# KiCad board MiniCamel.kicad_pcb
title: TinyLlama; date: 2023-02-10; rev: 2.1; company: Eivind Bøhler
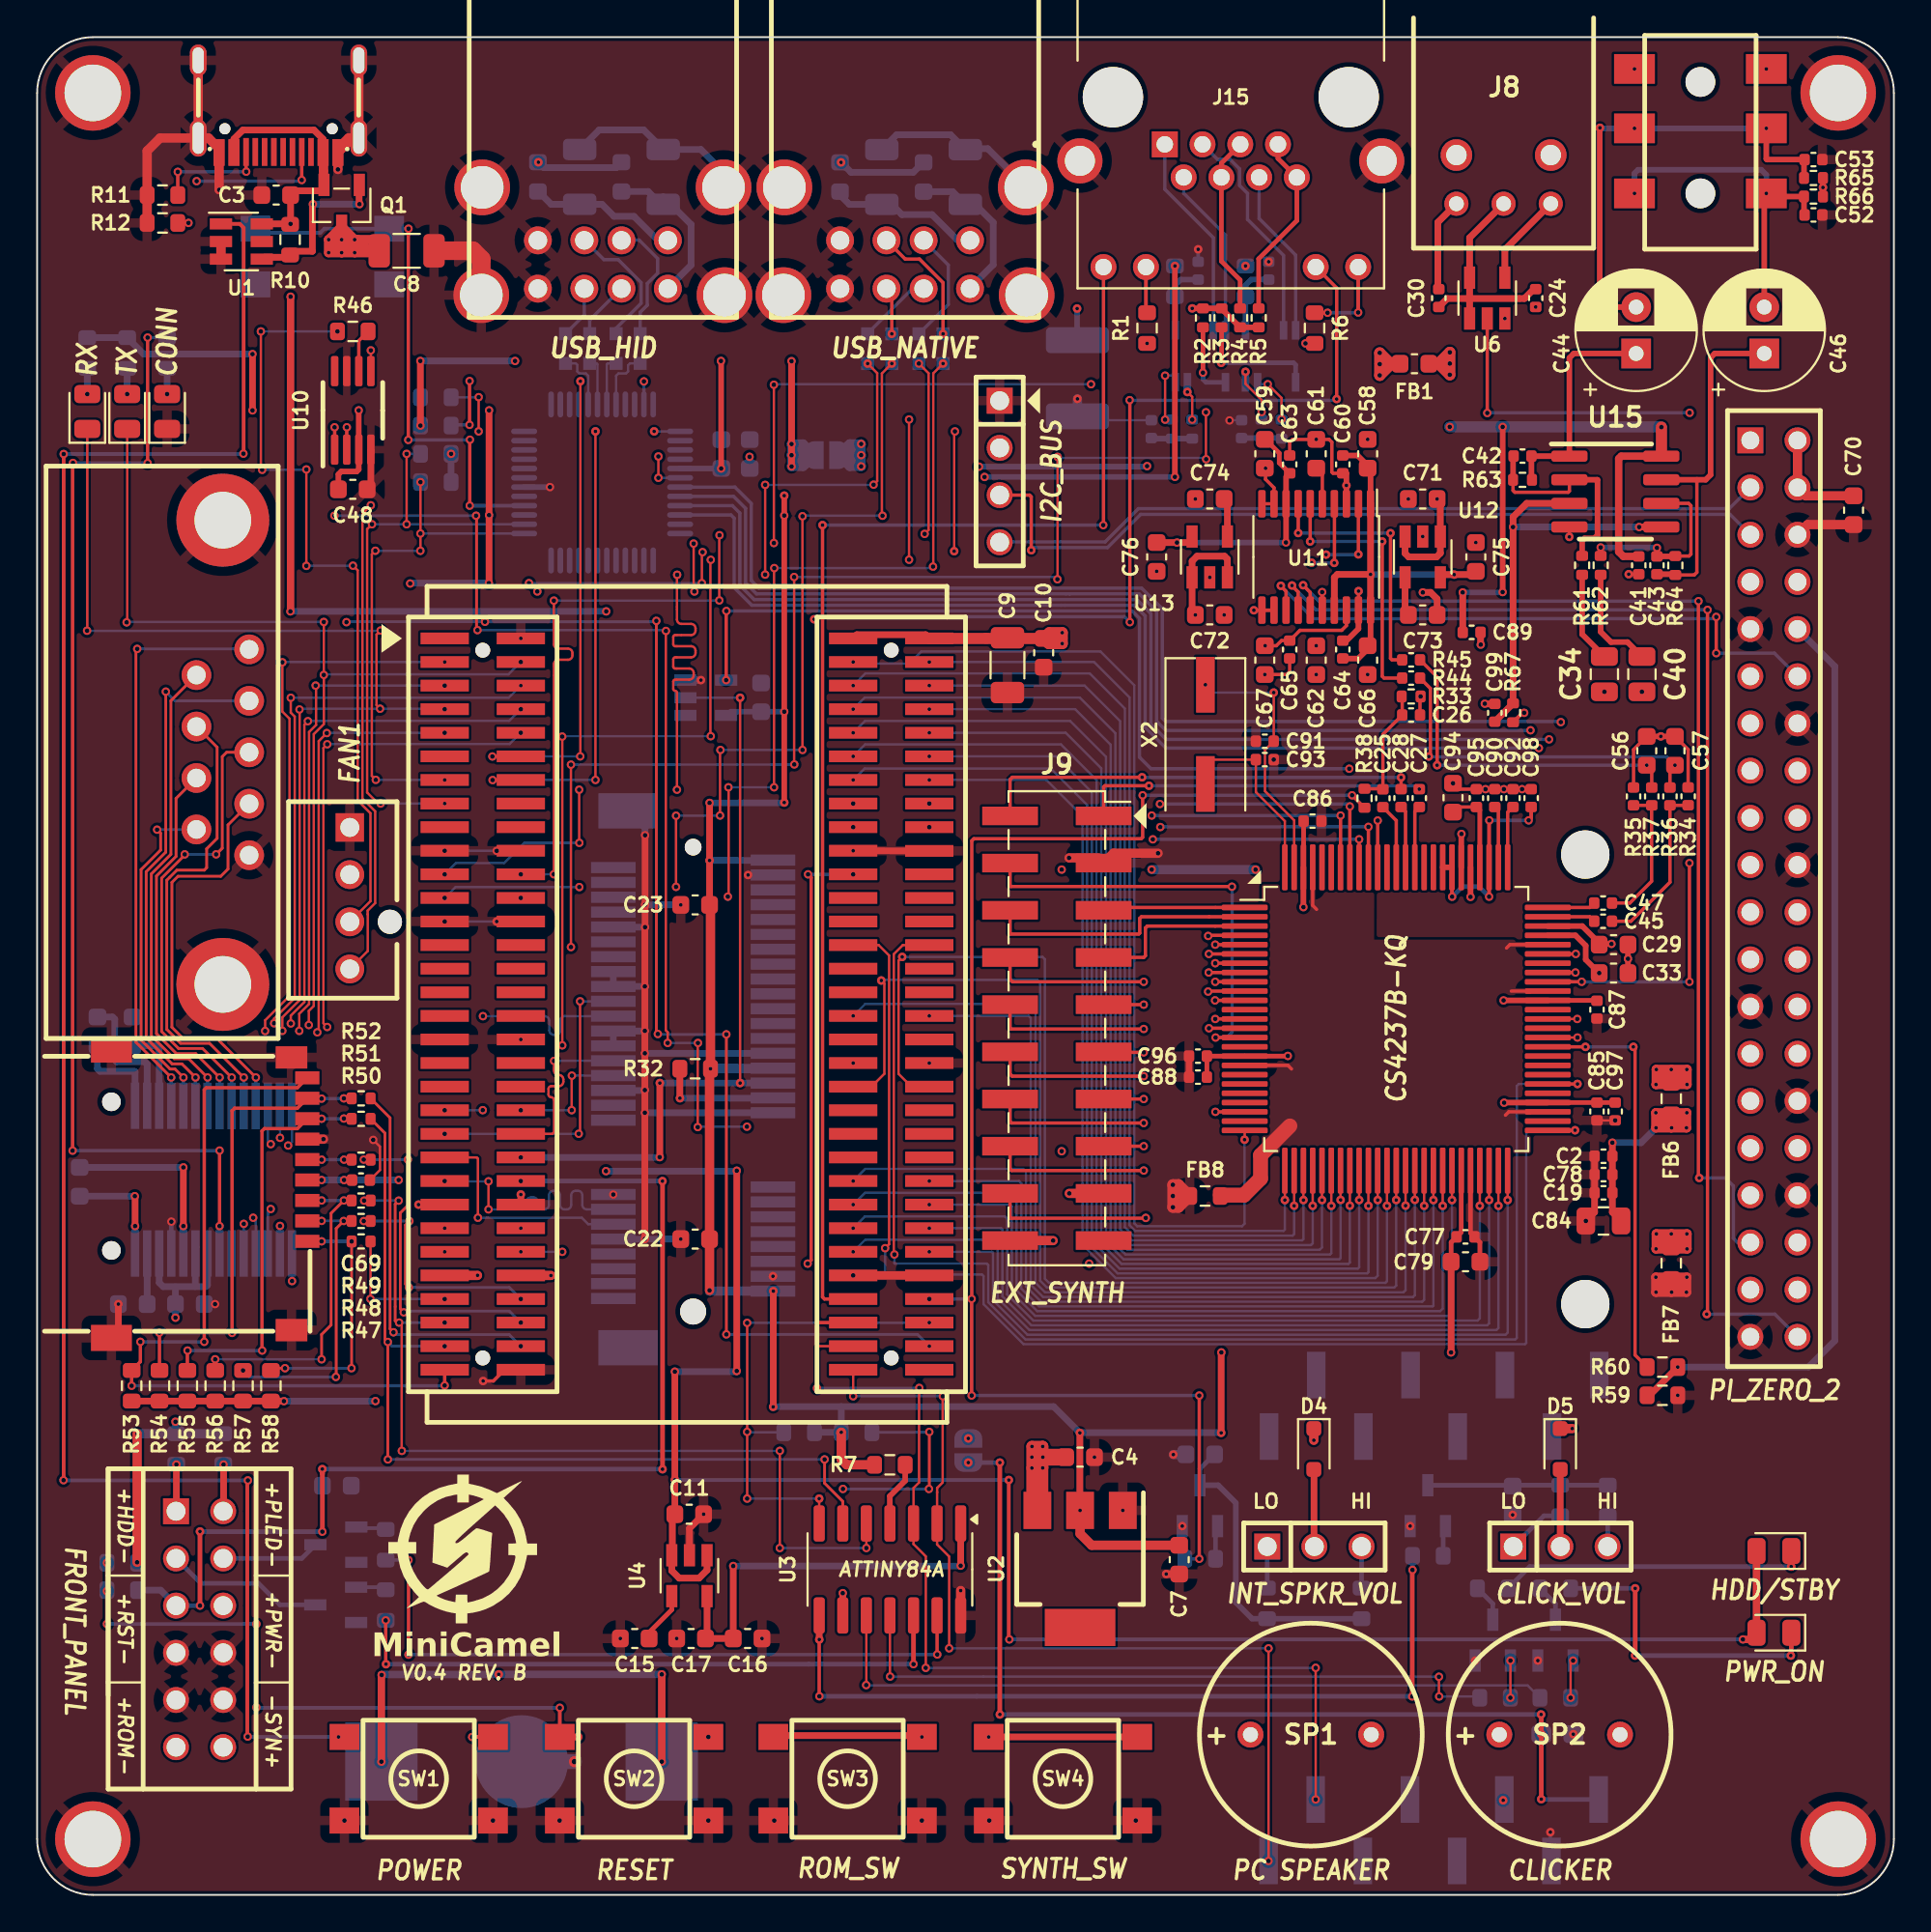
[diagram p0: board, top side]
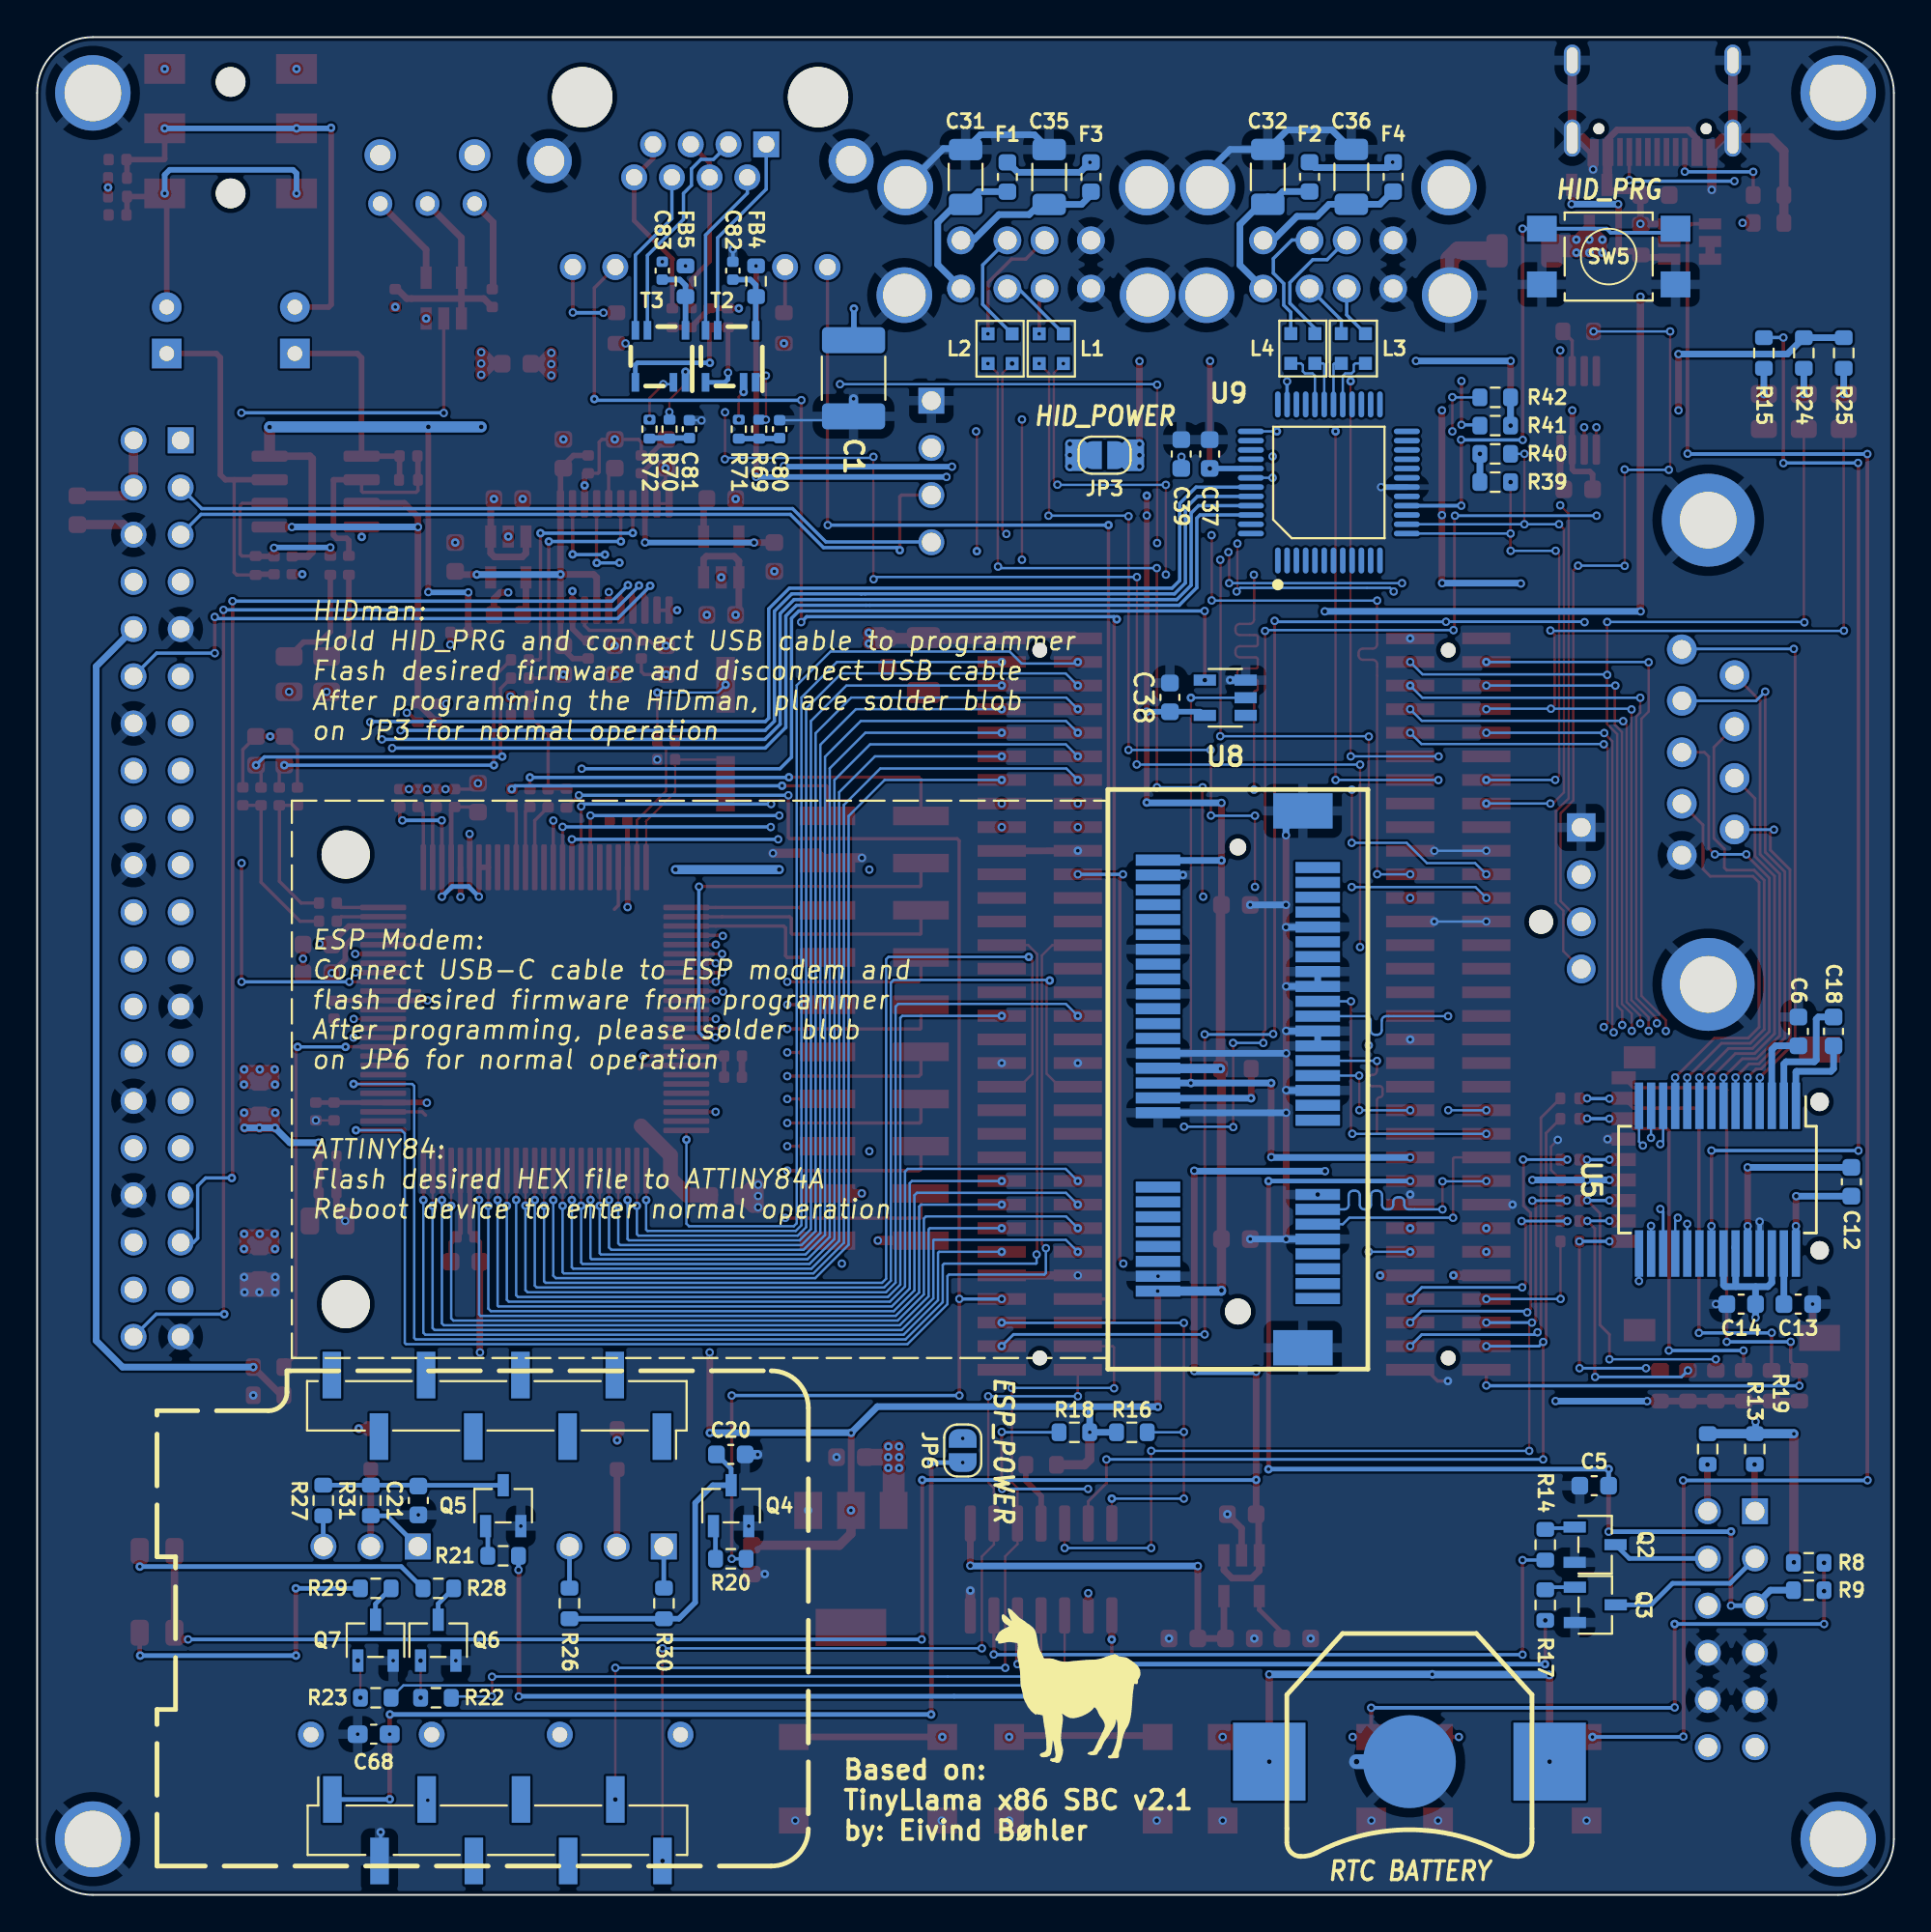
[diagram p1: board, bottom side, seen from below]

Outline 100 x 100 mm; copper layers: Top, In1.Cu (plane), In2.Cu (plane), Bottom. Coordinates in mm from the lower left corner of the outline.
Outline path: 0,97 0,3 arc(0.88,0.88) 3,0 97,0 arc(99.12,0.88) 100,3 100,97 arc(99.13,99.13) 97,100 3,100 arc(0.88,99.12) 0,97
Stack: Top 0.035mm / dielectric 0.2mm FR4 er 4.6 / In1.Cu 0.0175mm / dielectric 1.065mm FR4 er 4.6 / In2.Cu 0.0175mm / dielectric 0.2mm FR4 er 4.6 / Bottom 0.035mm

## Placement (name value [footprint] x y rotation side)
BT1  CR1220  [BT_MY-1220-03]  26.09 7.17 0 bottom
C1  1nF  [C_1812_4532Metric]  56.03 81.64 90 bottom
C2  100nF  [C_0402_1005Metric_no_outline]  84.36 39.76 0 top
C3  0.1uF  [C_0603_1608Metric]  12.88 91.5 0 top
C4  10uF  [C_0603_1608Metric]  56.17 23.56 0 top
C5  10uF  [C_0603_1608Metric]  16.14 22.03 0 bottom
C6  0.1uF  [C_0603_1608Metric]  5.14 46.48 90 bottom
C7  47uF  [C_0603_1608Metric]  61.51 18.05 270 top
C8  47uF  [C_1206_3216Metric]  19.9 88.5 0 top
C9  47uF  [C_1206_3216Metric]  52.26 66.19 270 top
C10  0.1uF  [C_0603_1608Metric]  54.21 66.86 270 top
C11  1uF  [C_0603_1608Metric]  35.12 20.49 0 top
C12  0.1uF  [C_0603_1608Metric]  2.29 38.39 90 bottom
C13  0.1uF  [C_0603_1608Metric]  5.15 31.8 180 bottom
C14  0.1uF  [C_0603_1608Metric]  8.23 31.8 0 bottom
C15  470pF  [C_0603_1608Metric]  32.19 13.8 180 top
C16  10uF  [C_0603_1608Metric]  38.27 13.8 0 top
C17  0.1uF  [C_0603_1608Metric]  35.22 13.8 0 top
C18  0.1uF  [C_0603_1608Metric]  3.25 46.48 90 bottom
C19  100nF  [C_0402_1005Metric_no_outline]  84.36 37.79 0 top
C20  10nF  [C_0603_1608Metric]  62.64 23.71 180 bottom
C21  10nF  [C_0603_1608Metric]  79.47 21.23 270 bottom
C22  0.1uF  [C_0603_1608Metric]  35.44 35.3 180 top
C23  0.1uF  [C_0603_1608Metric]  35.44 53.29 180 top
C24  0.1uF  [C_0402_1005Metric]  80.71 85.95 90 top
C25  0.1uF  [C_0402_1005Metric]  72.48 59.03 90 top
C26  2.7nF  [C_0402_1005Metric]  74 63.51 0 top
C27  1uF  [C_0402_1005Metric]  74.44 59.04 90 top
C28  1uF  [C_0402_1005Metric]  73.46 59.04 90 top
C29  1nF  [C_0603_1608Metric]  84.91 51.15 180 top
C30  0.1uF  [C_0402_1005Metric]  75.49 85.95 90 top
C31  47uF  [C_1206_3216Metric]  49.99 92.47 90 bottom
C32  47uF  [C_1206_3216Metric]  33.72 92.48 90 bottom
C33  1nF  [C_0603_1608Metric]  84.91 49.62 180 top
C34  1uF  [C_0805_2012Metric]  84.41 65.71 90 top
C35  47uF  [C_1206_3216Metric]  45.49 92.47 90 bottom
C36  47uF  [C_1206_3216Metric]  29.22 92.48 90 bottom
C37  0.1uF  [C_0603_1608Metric]  36.85 77.56 270 bottom
C38  0.1uF  [C_0603_1608Metric]  38.99 64.46 90 bottom
C39  3.3uF  [C_0603_1608Metric]  38.38 77.56 270 bottom
C40  1uF  [C_0805_2012Metric]  86.43 65.71 90 top
C41  100nF  [C_0402_1005Metric_no_outline]  86.26 71.57 90 top
C42  47pF  [C_0402_1005Metric_no_outline]  80 77.45 0 top
C43  47pF  [C_0402_1005Metric_no_outline]  87.24 71.57 270 top
C44  220uF  [CP_Radial_D6.3mm_P2.50mm]  86.12 82.97 90 top
C45  10uF  [C_0402_1005Metric]  84.34 52.41 0 top
C46  220uF  [CP_Radial_D6.3mm_P2.50mm]  93.02 82.97 90 top
C47  10uF  [C_0402_1005Metric]  84.34 53.39 0 top
C48  0.1uF  [C_0603_1608Metric]  17 75.66 0 top
C52  100pF  [C_0402_1005Metric_no_outline]  95.67 90.43 0 top
C53  100pF  [C_0402_1005Metric_no_outline]  95.67 93.41 0 top
C56  2.2nF  [C_0603_1608Metric]  86.69 61.59 270 top
C57  2.2nF  [C_0603_1608Metric]  88.21 61.59 270 top
C58  10uF  [C_0603_1608Metric]  71.66 77.57 90 top
C59  10uF  [C_0603_1608Metric]  66.12 77.57 270 top
C60  0.1uF  [C_0402_1005Metric]  70.32 77 270 top
C61  2.2uF  [C_0603_1608Metric]  68.89 77.57 270 top
C62  2.2uF  [C_0603_1608Metric]  68.89 66.47 90 top
C63  0.1uF  [C_0402_1005Metric]  67.46 77 90 top
C64  0.1uF  [C_0402_1005Metric]  70.32 67.04 90 top
C65  0.1uF  [C_0402_1005Metric]  67.46 67.04 90 top
C66  10uF  [C_0603_1608Metric]  71.66 66.47 270 top
C67  10uF  [C_0603_1608Metric]  66.12 66.47 90 top
C68  47uF  [C_0603_1608Metric_Pad1.08x0.95mm_HandSolder]  81.88 8.65 0 bottom
C69  0.1uF  [C_0402_1005Metric]  17.44 38.47 0 top
C70  0.1uF  [C_0603_1608Metric]  97.83 74.53 270 top
C71  1uF  [C_0603_1608Metric]  74.62 75.14 180 top
C72  1uF  [C_0603_1608Metric]  63.16 68.9 0 top
C73  470pF  [C_0603_1608Metric]  74.62 68.9 0 top
C74  470pF  [C_0603_1608Metric]  63.16 75.14 180 top
C75  10uF  [C_0603_1608Metric]  77.48 72.02 90 top
C76  10uF  [C_0603_1608Metric]  60.3 72.02 270 top
C77  100nF  [C_0402_1005Metric_no_outline]  76.93 35.42 0 top
C78  100nF  [C_0402_1005Metric_no_outline]  84.36 38.77 0 top
C79  1nF  [C_0603_1608Metric_no_outline]  76.93 34.08 0 top
C80  0.1uF  [C_0402_1005Metric]  60.01 78.9 90 bottom
C81  0.1uF  [C_0402_1005Metric]  64.87 78.9 90 bottom
C82  0.1uF  [C_0402_1005Metric]  62.53 87.43 90 bottom
C83  0.1uF  [C_0402_1005Metric]  66.33 87.43 90 bottom
C84  33uF  [C_0805_2012Metric]  84.36 36.28 0 top
C85  100nF  [C_0402_1005Metric_no_outline]  84.01 42.17 270 top
C86  100nF  [C_0402_1005Metric_no_outline]  68.69 57.8 0 top
C87  100nF  [C_0402_1005Metric_no_outline]  84.01 47.65 270 top
C88  100nF  [C_0402_1005Metric_no_outline]  62.52 44.02 180 top
C89  100nF  [C_0402_1005Metric_no_outline]  77.26 67.96 180 top
C90  1nF  [C_0402_1005Metric_no_outline]  78.51 59.04 270 top
C91  22pF  [C_0402_1005Metric_no_outline]  66.12 62.1 0 top
C92  1nF  [C_0402_1005Metric_no_outline]  79.49 59.04 270 top
C93  22pF  [C_0402_1005Metric_no_outline]  66.12 61.11 180 top
C94  1uF  [C_0603_1608Metric_no_outline]  76.26 59.06 90 top
C95  100nF  [C_0402_1005Metric_no_outline]  77.52 59.04 90 top
C96  1uF  [C_0402_1005Metric_no_outline]  62.52 45.15 0 top
C97  1uF  [C_0402_1005Metric_no_outline]  84.99 42.17 90 top
C98  100nF  [C_0402_1005Metric_no_outline]  80.47 59.04 270 top
C99  1uF  [C_0402_1005Metric_no_outline]  78.51 63.63 90 top
D1  CONN  [D_0805_2012Metric]  7 79.85 90 top
D2  TX  [D_0805_2012Metric]  4.85 79.85 90 top
D3  RX  [D_0805_2012Metric]  2.7 79.85 90 top
D4  1N4148  [D_SOD-323F]  68.76 24 270 top
D5  1N4148  [D_SOD-323F]  82.03 24 270 top
D6  PWR_ON  [D_0805_2012Metric]  93.54 14.11 180 top
D7  HDD/STBY  [D_0805_2012Metric]  93.54 18.51 180 top
F1  F  [Fuse_0603_1608Metric_no_outline]  47.74 92.47 270 bottom
F2  F  [Fuse_0603_1608Metric_no_outline]  31.47 92.48 270 bottom
F3  F  [Fuse_0603_1608Metric_no_outline]  43.24 92.47 270 bottom
F4  F  [Fuse_0603_1608Metric_no_outline]  26.97 92.48 270 bottom
FB1  FB  [C_0603_1608Metric]  74.18 82.42 0 top
FB4  50Ω@100MHz  [R_0603_1608Metric]  61.28 86.86 270 bottom
FB5  50Ω@100MHz  [R_0603_1608Metric]  65.08 86.86 270 bottom
FB6  600Ω@100MHz  [R_0603_1608Metric_no_outline]  88.01 42.86 90 top
FB7  100Ω@100MHz  [R_0603_1608Metric_no_outline]  88.01 34 90 top
FB8  100Ω@100MHz  [R_0603_1608Metric_no_outline]  62.9 37.62 0 top
H1  H_HOLE  [H_440_HOLE]  3 97 0 top
H2  H_HOLE  [H_440_HOLE]  97 97 0 top
H3  H_HOLE  [H_440_HOLE]  3 3 0 top
H4  H_HOLE  [H_440_HOLE]  97 3 0 top
J1  J_USB_C  [J_USB_TYPE-C-31-M-12]  13 94 180 top
J2  AUDIO_OUT  [J_AUDIO35_C95463]  89.58 95.09 0 top
J3  FRONT_PANEL  [P_CONN_PANEL]  8.75 16.84 270 top
J4  -  [J_MINI_PCIE]  35.33 31.4 90 bottom
J5  -  [P_DE9M]  11.42 67.05 90 top
J6  USB_NATIVE  [J_USB_A_C12049]  46.74 87.76 180 top
J7  USB_HID  [J_USB_A_C12049]  30.47 87.76 180 top
J8  J_TOSLINK_ZGY133T10  [TOSLINK_ZGY133T10]  78.98 91.03 0 top
J9  EXT_SYNTH  [PinSocket_2x10_P2.54mm_Vertical_SMD]  54.92 46.65 0 top
J11  -  [J_WEMOS_D1_MINI]  75.25 14.88 180 bottom
J12  PI_ZERO_2  [J_CONN_RPI]  93.54 54.17 0 top
J13  MICRO_SD  [MicroSD_TF01A]  7.3 37.74 270 top
J14  I2C_BUS  [P_CONN_01X04_SQUARE]  51.84 76.62 270 top
J15  RJHSE-5384  [AMPHENOL_RJHSE-5384]  64.29 96.77 180 top
JP1  INT_SPKR_VOL  [P_CONN_01X03_SQUARE]  68.79 18.75 0 top
JP2  CLICK_VOL  [P_CONN_01X03_SQUARE]  82.04 18.75 0 top
JP3  HID_POWER  [SolderJumper-2_P1.3mm_Open_RoundedPad1.0x1.5mm]  42.51 77.5 180 bottom
JP6  ESP_POWER  [SolderJumper-2_P1.3mm_Open_RoundedPad1.0x1.5mm]  50.15 23.92 270 bottom
L1  L_EMI_FILTER  [L_EMI_FILTER_MCM2012B900GBE]  45.38 83.23 270 bottom
L2  L_EMI_FILTER  [L_EMI_FILTER_MCM2012B900GBE]  48.14 83.23 270 bottom
L3  L_EMI_FILTER  [L_EMI_FILTER_MCM2012B900GBE]  29.11 83.24 90 bottom
L4  L_EMI_FILTER  [L_EMI_FILTER_MCM2012B900GBE]  31.83 83.24 90 bottom
LOGO1  snipe_logo  [snipe_96x96px]  22.92 18.62 0 top
LOGO2  Llama_logo  [LLAMA_LOGO]  52.61 17.43 180 bottom
P1  SOM-128-EX  [P_CONN_SOM-128-EX]  24 67.63 0 top
P2  FAN1  [J_MOLEX_47053-1000]  16.84 57.46 90 top
Q1  Q_PMOS_GDS  [Q_PFET_ENH_SOT-23-3]  16.4 90.95 90 top
Q2  NPN  [Q_BJT_SOT-23-3]  16.09 18.85 0 bottom
Q3  NPN  [Q_BJT_SOT-23-3]  16.08 15.61 0 bottom
Q4  NPN  [Q_BJT_SOT-23-3]  62.62 20.95 270 bottom
Q5  NPN  [Q_BJT_SOT-23-3]  74.9 20.95 270 bottom
Q6  NPN  [Q_BJT_SOT-23-3]  78.4 13.71 270 bottom
Q7  NPN  [Q_BJT_SOT-23-3]  81.78 13.71 270 bottom
R1  330  [R_0603_1608Metric]  59.78 84.34 270 top
R2  75  [R_0402_1005Metric]  62.79 84.89 270 top
R3  75  [R_0402_1005Metric]  63.79 84.89 270 top
R4  75  [R_0402_1005Metric]  64.79 84.89 90 top
R5  75  [R_0402_1005Metric]  65.79 84.89 90 top
R6  330  [R_0603_1608Metric]  68.8 84.34 90 top
R7  10k  [R_0603_1608Metric]  45.92 23.15 180 top
R8  10k  [R_0603_1608Metric]  4.59 17.88 180 bottom
R9  470  [R_0603_1608Metric]  4.59 16.4 180 bottom
R10  47k  [R_0603_1608Metric]  13.62 89.1 90 top
R11  5.1k  [R_0603_1608Metric]  6.75 91.5 180 top
R12  5.1k  [R_0603_1608Metric]  6.75 90 180 top
R13  330  [R_0603_1608Metric]  7.49 24 270 bottom
R14  10k  [R_0603_1608Metric]  18.77 18.85 90 bottom
R15  1.5k  [R_0603_1608Metric]  7 83 270 bottom
R16  4.7k  [R_0603_1608Metric]  41.04 24.9 0 bottom
R17  10k  [R_0603_1608Metric]  18.77 15.6 90 bottom
R18  4.7k  [R_0603_1608Metric]  44.14 24.9 180 bottom
R19  330  [R_0603_1608Metric]  10.02 24 270 bottom
R20  1k  [R_0603_1608Metric]  62.64 18.09 0 bottom
R21  1k  [R_0603_1608Metric]  74.9 18.25 0 bottom
R22  10k  [R_0603_1608Metric]  78.52 10.61 0 bottom
R23  10k  [R_0603_1608Metric]  81.77 10.61 0 bottom
R24  1k  [R_0603_1608Metric]  4.85 83 270 bottom
R25  1k  [R_0603_1608Metric]  2.7 83 270 bottom
R26  200  [R_0603_1608Metric]  71.33 15.69 90 bottom
R27  200  [R_0603_1608Metric]  84.59 21.23 270 bottom
R28  600  [R_0603_1608Metric]  78.39 16.5 0 bottom
R29  2k  [R_0603_1608Metric]  81.77 16.5 0 bottom
R30  33  [R_0603_1608Metric]  66.24 15.69 90 bottom
R31  33  [R_0603_1608Metric]  82.03 21.23 270 bottom
R32  4.7k  [R_0603_1608Metric]  35.44 44.47 0 top
R33  4.7k  [R_0402_1005Metric]  74 64.51 0 top
R34  6.8k  [C_0402_1005Metric]  88.92 59.14 270 top
R35  6.8k  [C_0402_1005Metric]  85.98 59.13 270 top
R36  6.8k  [C_0402_1005Metric]  87.94 59.13 270 top
R37  6.8k  [C_0402_1005Metric]  86.96 59.13 270 top
R38  47k  [R_0402_1005Metric]  71.49 59.03 90 top
R39  4.7k  [R_0603_1608Metric]  21.47 76.05 0 bottom
R40  4.7k  [R_0603_1608Metric]  21.47 77.57 0 bottom
R41  4.7k  [R_0603_1608Metric]  21.47 79.09 180 bottom
R42  4.7k  [R_0603_1608Metric]  21.47 80.61 180 bottom
R44  470  [C_0402_1005Metric]  74 65.5 0 top
R45  470  [C_0402_1005Metric]  74 66.48 0 top
R46  10k  [R_0603_1608Metric]  17 84.16 0 top
R47  33  [R_0402_1005Metric]  17.45 35.17 0 top
R48  33  [R_0402_1005Metric]  17.45 36.28 0 top
R49  33  [R_0402_1005Metric]  17.45 37.38 0 top
R50  0  [R_0402_1005Metric]  17.45 39.58 0 top
R51  33  [R_0402_1005Metric]  17.45 41.78 0 top
R52  33  [R_0402_1005Metric]  17.45 42.88 0 top
R53  47k  [R_0603_1608Metric]  5.09 27.4 90 top
R54  47k  [R_0603_1608Metric]  6.59 27.4 90 top
R55  47k  [R_0603_1608Metric]  8.09 27.4 90 top
R56  47k  [R_0603_1608Metric]  9.59 27.4 90 top
R57  47k  [R_0603_1608Metric]  11.09 27.4 90 top
R58  47k  [R_0603_1608Metric]  12.59 27.4 90 top
R59  20k  [R_0603_1608Metric]  87.53 26.89 0 top
R60  10k  [R_0603_1608Metric]  87.53 28.41 0 top
R61  27k  [R_0402_1005Metric_no_outline]  83.21 71.57 270 top
R62  27k  [R_0402_1005Metric_no_outline]  84.21 71.57 270 top
R63  39k  [R_0402_1005Metric_no_outline]  80 76.17 180 top
R64  39k  [R_0402_1005Metric_no_outline]  88.23 71.56 90 top
R65  1k  [R_0402_1005Metric_no_outline]  95.67 92.42 0 top
R66  1k  [R_0402_1005Metric_no_outline]  95.67 91.42 0 top
R67  2.2k  [R_0402_1005Metric_no_outline]  79.49 63.63 270 top
R69  49.9  [R_0402_1005Metric]  61.11 78.9 270 bottom
R70  49.9  [R_0402_1005Metric]  65.94 78.9 270 bottom
R71  49.9  [R_0402_1005Metric]  62.21 78.9 270 bottom
R72  49.9  [R_0402_1005Metric]  67.02 78.9 270 bottom
SP1  PC SPEAKER  [SP]  68.6 8.62 0 top
SP2  CLICKER  [SP]  82 8.62 0 top
SW1  POWER  [SW_B3FS-1010]  20.55 6.25 0 top
SW2  RESET  [SW_B3FS-1010]  32.15 6.25 0 top
SW3  ROM_SW  [SW_B3FS-1010]  43.65 6.25 0 top
SW4  SYNTH_SW  [SW_B3FS-1010]  55.25 6.25 0 top
SW5  HID_PRG  [SW_SPST_TL3305A]  15.36 88.19 180 bottom
T2  ALT3232M  [T_ALT3232M-151-T001]  62.65 82.82 90 bottom
T3  ALT3232M  [T_ALT3232M-151-T001]  66.43 82.82 90 bottom
U1  U_MAX16054  [U_TSOT-23-6]  11 89 0 top
U2  U_AMS1117-3.3  [U_SOT-223-3_NOTAB]  56.17 17.55 270 top
U3  ATTINY84A  [SOIC-14_3.9x8.7mm_P1.27mm]  45.93 17.52 270 top
U4  U_MIC5219-3.3YM5  [U_SOT-23-5]  35.13 17.18 270 top
U5  U_MAX3243  [U_SSOP-28_5.3x10.2mm_P0.65mm_HandSoldering]  9.5 38.5 270 bottom
U6  U_74LVC1G126  [U_SOT-23-5]  78.1 85.95 90 top
U8  U_74LVC1G04  [U_SOT-23-5]  36.01 64.44 0 bottom
U9  U_CH559L  [U_QFP-12x12_14x14_Pitch0.5mm]  30.43 76.03 90 bottom
U10  EMC2301  [U_MSOP-8_3x3mm_P0.65mm]  17 79.91 90 top
U11  PCM5102A  [TSSOP-20_4.4x6.5mm_P0.65mm]  68.89 72.02 270 top
U12  U_MIC5219-3.3YM5  [U_SOT-23-5]  74.62 72.02 270 top
U13  U_MIC5219-3.3YM5  [U_SOT-23-5]  63.16 72.02 90 top
U14  CS4237B-KQ  [U_TQFP-100_14x14mm_P0.5mm_HandSoldering]  73.2 47.15 0 top
U15  OPA1656  [U_SOIC-8_3.9x4.9mm_P1.27mm]  85 75.54 0 top
X2  16.9344MHz  [X_Crystal_SMD_HC49S-MINI]  62.92 62.47 270 top

## Library data of the parts
BT1 = -: LCSC: C964745; Label: RTC BATTERY
C1 = -: LCSC: C106132; Voltage: min. 2kV
C2 C19 C41 C77 C78 C80-C89 C95 C98 = -: LCSC: C1525
C29 C33 = -: Description: C0G; LCSC: C76947
C34 C40 C44 C46 C94 = -: Description: ELEC
C37 = -: LCSC: C14663
C42 C43 = -: Description: C0G; LCSC: C3843411
C52 C53 = -: LCSC: C277520
C70 = -: Description: Unpolarized capacitor, small symbol; ki_fp_filters: C_*
C79 = -: LCSC: C76947
C90 C92 = -: Note: C0G; LCSC: C76947
C91 C93 = -: Description: C0G; LCSC: C76960
C96 C97 C99 = -: LCSC: C77009
D4 D5 = -: LCSC: C2128
D6 = -: Description: GREEN
D7 = -: Description: RED
F1-F4 = -: Note: Hold@1A; Note2: Trip@1.8A
FB1 = -: Note: 600Ω@100MHz
FB4 FB5 = -: Description: Ferrite bead, small symbol; LCSC: C394425; ki_fp_filters: Inductor_* L_* *Ferrite*
FB6 = -: Description: Ferrite bead, small symbol; LCSC: C160977; ki_fp_filters: Inductor_* L_* *Ferrite*
FB7 FB8 = -: Description: Ferrite bead, small symbol; LCSC: C107332; ki_fp_filters: Inductor_* L_* *Ferrite*
J1 = -: ki_fp_filters: USB*C*Receptacle*
J2 = -: Part Number: LCSC:C95463; ki_fp_filters: Jack*
J3 = -: LCSC: C492421; ki_fp_filters: Connector*:*_2x??_*
J6 J7 = -: ki_fp_filters: USB*
J8 = -: LCSC: C277782
J9 = -: ki_fp_filters: Connector*:*_2x??_*
J11 = -: Description: WeMos D1 mini
J12 = -: LCSC: C3975165
J13 = -: LCSC: C91145; ki_fp_filters: microSD*
J15 = -: PARTREV: E; MANUFACTURER: Amphenol; MAXIMUM_PACKAGE_HEIGHT: 13.46mm; STANDARD: Manufacturer Recommendations
JP1 JP2 = -: ki_fp_filters: Connector*:*_1x??_*
JP3 JP6 = -: Description: Jumper, 2-pole, closed/bridged; ki_fp_filters: Jumper* TestPoint*2Pads* TestPoint*Bridge*
P2 = -: Datasheet: https://datasheet.lcsc.com/lcsc/1811051309_MOLEX-470531000_C240840.pdf; LCSC: C240840
Q2-Q7 = -: LCSC: C2146
R1 R6 = -: Description: Resistor, small symbol; ki_fp_filters: R_*
R2-R5 = -: Precision: 1%
R61 R62 = -: Description: 0.1%; LCSC: C723421
R63 R64 = -: Description: 0.1%; LCSC: C2692983
R65 R66 = -: LCSC: C144051
R67 = -: LCSC: C114762
R69-R72 = -: LCSC: C87044
SP1 = -: LCSC: C252917
SP2 = -: LCSC: C252917; Label: HDD CLICKER
SW1-SW4 = -: Part Number: LCSC:C231324
T2 T3 = -: Description: Ethernet LAN 10/100 Base-Tx Transformer with Center Taps; LCSC: C5159359; ki_fp_filters: Transformer*Ethernet*Bourns*PT61017PEL*
U2 = -: ki_fp_filters: SOT?223*TabPin2*
U4 U12 U13 = -: LCSC: C29613; ki_fp_filters: SOT?23*
U6 = -: Datasheet: http://www.ti.com/lit/sg/scyt129e/scyt129e.pdf; LCSC: C7834; ki_fp_filters: SOT* SG-*
U9 = -: Part Number: LCSC:C150548
U11 = -: LCSC: C107671
U15 = -: Description: Dual Operational Amplifier, SOP-8; LCSC: C1849431; ki_fp_filters: SOIC*3.9x4.9mm*P1.27mm* DIP*W7.62mm* TO*99* OnSemi*Micro8* TSSOP*3x3mm*P0.65mm* TSSOP*4.4x3mm*P0.65mm* MSOP*3x3mm*P0.65mm* SSOP*3.9x4.9mm*P0.635mm* LFCSP*2x2mm*P0.5mm* *SIP* SOIC*5.3x6.2mm*P1.27mm*
X2 = -: LCSC: C4944017
